# Altium PCB bqCNC.PcbDoc (part 1 of 6) (continued)
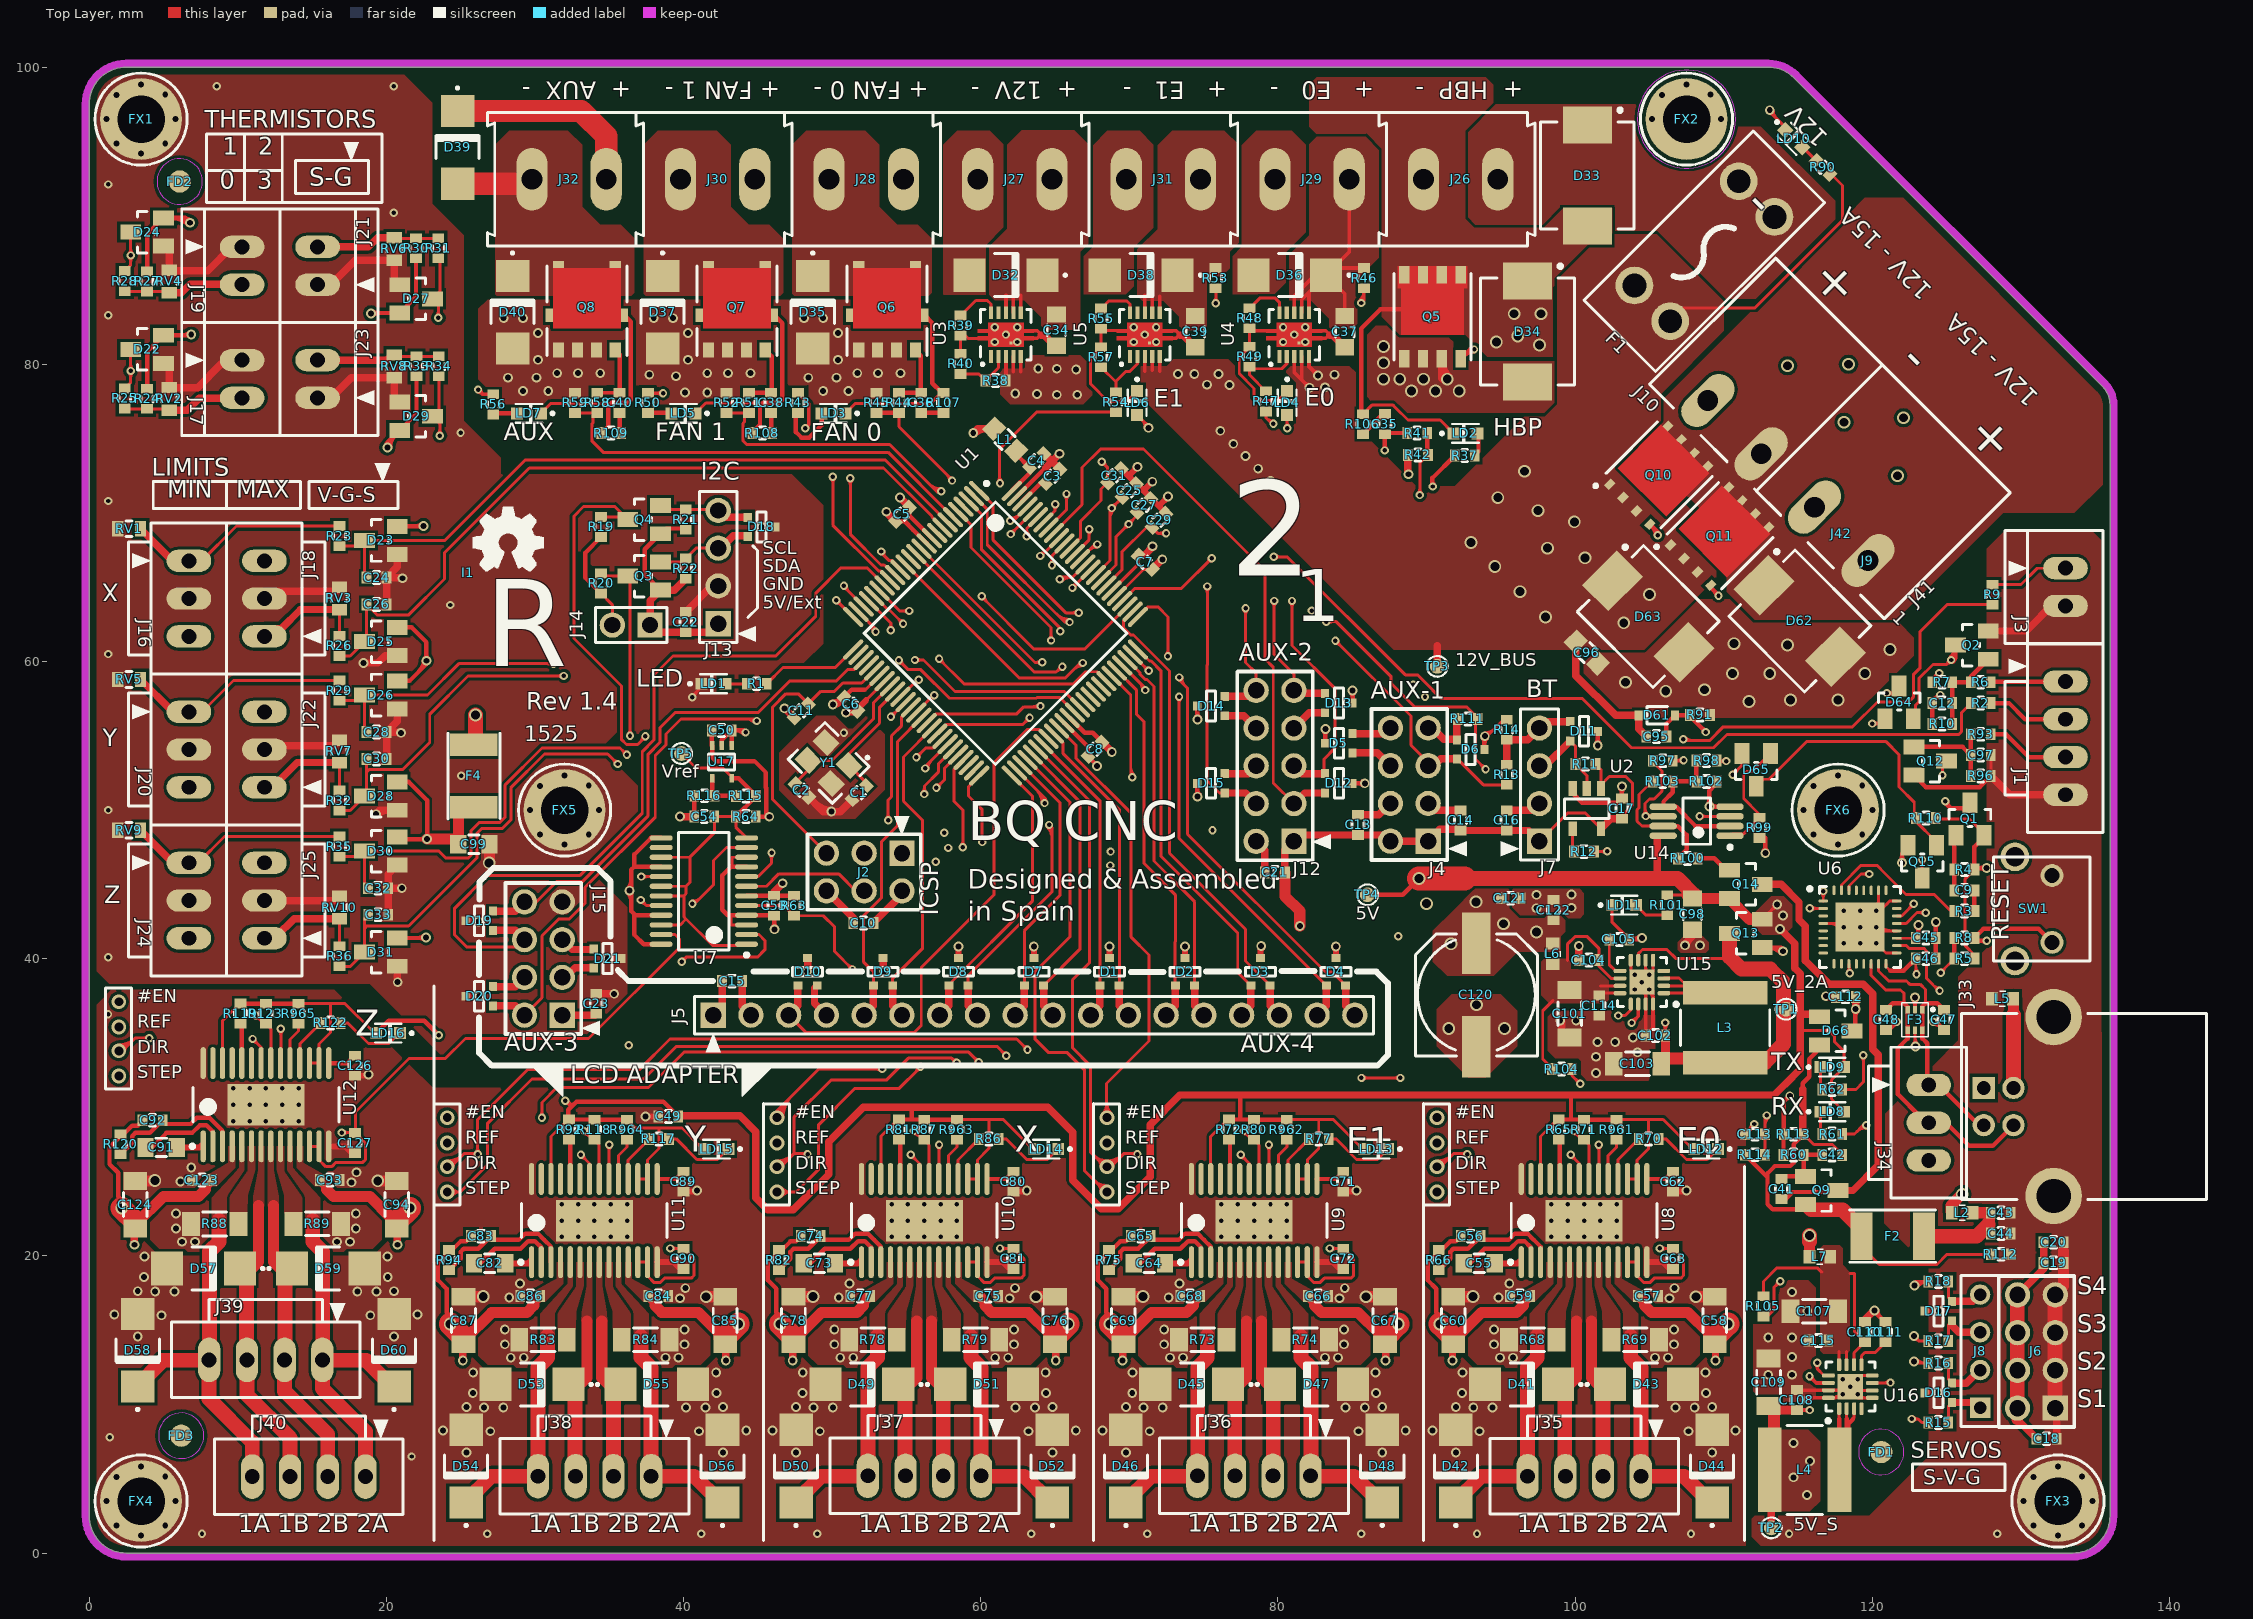
[diagram p0: Top Layer view]
## Components (designator, comment, footprint, x,y, rotation, side; value= is the part's Value field where it differs from the comment) (continued)
R97 "Resistor" R0603 105.901,53.317 r0 top (schematic designator R77)
R98 "Resistor" R0603 108.85,53.325 r0 top (schematic designator R78)
R99 "Resistor" R0603 112.4,48.8 r90 top (schematic designator R79)
R100 "Resistor" R0603 107.575,46.75 r180 top (schematic designator R80)
R101 "Resistor" R0603 106.2,43.6 r90 top (schematic designator R81)
R102 "Resistor" R0603 108.85,51.925 r180 top (schematic designator R82)
R103 "Resistor" R0603 105.9,51.925 r180 top (schematic designator R83)
R104 "100k" R0603 99.1,32.575 r0 top (schematic designator R84)
R105 "100k" R0603 112.675,16.6 r270 top (schematic designator R84)
R106 "Resistor" R0603 85.725,75.971 r90 top (schematic designator R85)
R107 "Resistor" R0603 57.5,77.396 r90 top (schematic designator R86)
R108 "Resistor" R0603 45.304,75.375 r180 top (schematic designator R87)
R109 "Resistor" R0603 35.129,75.375 r180 top (schematic designator R88)
R110 "Resistor" R0603 123.606,49.459 r0 top (schematic designator R89)
R111 "Resistor" R0603 92.781,56.135 r0 top (schematic designator R90)
R112 "Resistor" R0603 128.657,20.108 r0 top (schematic designator R91)
R113 "Resistor" R0603 114.707,28.183 r0 top (schematic designator R92)
R114 "Resistor" R0603 112.107,26.809 r0 top (schematic designator R93)
R115 "Resistor" R0603 44.206,50.959 r0 top (schematic designator R94)
R116 "Resistor" R0603 41.408,50.962 r0 top (schematic designator R95)
R117 "Resistor" R0603 38.35,27.875 r0 top (schematic designator R72)
R118 "Resistor" R0603 34,28.496 r90 top (schematic designator R74)
R119 "Resistor" R0603 10.2,36.304 r270 top (schematic designator R65)
R120 "Resistor" R0603 2.125,27.521 r90 top (schematic designator R66)
R122 "Resistor" R0603 16.25,35.675 r0 top (schematic designator R72)
R123 "Resistor" R0603 11.9,36.296 r90 top (schematic designator R74)
R961 "Resistor" R0603 102.8,28.496 r270 top (schematic designator R96)
R962 "Resistor" R0603 80.6,28.496 r270 top (schematic designator R96)
R963 "Resistor" R0603 58.4,28.496 r270 top (schematic designator R96)
R964 "Resistor" R0603 36.2,28.496 r270 top (schematic designator R96)
R965 "Resistor" R0603 14.1,36.296 r270 top (schematic designator R96)
RV1 "Varistor" RV0603 2.697,68.935 r0 top
RV2 "Varistor" RV0603 5.4,77.674 r270 top
RV3 "Varistor" RV0603 16.843,64.243 r270 top
RV4 "Varistor" RV0603 5.4,85.574 r270 top
RV5 "Varistor" RV0603 2.697,58.789 r0 top
RV6 "Varistor" RV0603 20.534,87.76 r90 top
RV7 "Varistor" RV0603 16.843,53.943 r270 top
RV8 "Varistor" RV0603 20.534,79.86 r90 top
RV9 "Varistor" RV0603 2.697,48.643 r0 top
RV10 "Varistor" RV0603 16.843,43.443 r270 top
SW1 "RESET" SW_Vert_THT_7.5x6x6.5 132.1,45.6 r270 top
TP1 "Testpoint" TP_SMD_1mm 114.2,36.6 r90 top
TP2 "Testpoint" TP_SMD_1mm 113.2,1.7 r90 top
TP3 "Testpoint" TP_SMD_1mm 90.725,59.675 r90 top
TP4 "Testpoint" TP_SMD_1mm 86.025,44.3 r90 top
TP5 "Testpoint" TP_SMD_1mm 39.865,53.806 r90 top
U1 "ATmega2560-16AU" TQFP100_05_MD 61,61.9 r315 top
U2 "74AHCT1G08" SOT23-5 100.79,50.096 r180 top
U3 "TPS2592" S-PVSON-N10 61.7,82 r0 top
U4 "TPS2592" S-PVSON-N10 81.1,82 r0 top
U5 "TPS2592" S-PVSON-N10 71.05,82 r0 top
U6 "FT232RQ R" QFN32 119.175,42.125 r0 top
U7 "AD5206-10K" TSSOP24_065 41.375,44.55 r180 top
U8 "DRV8825" SOP28 100.604,22.375 r90 top
U9 "DRV8825" SOP28 78.404,22.375 r90 top (schematic designator U8)
U10 "DRV8825" SOP28 56.204,22.375 r90 top (schematic designator U8)
U11 "DRV8825" SOP28 34.004,22.375 r90 top (schematic designator U8)
U12 "DRV8825" SOP28 11.904,30.175 r90 top (schematic designator U8)
U14 "FAN4274IMU8X" VSSOP8 108.175,49.25 r180 top (schematic designator U10)
U15 "TPS62133" QFN16 104.5,38.425 r180 top (schematic designator U11)
U16 "TPS62133" QFN16 118.525,11.2 r90 top (schematic designator U11)
U17 "ZXRE160A" SOT-353 42.585,53.244 r180 top (schematic designator U12)
Y1 "ABM8G 16MHz" ABM8G_3.2x2.5mm 49.77,53.176 r135 top

## Footprints (in the part's own frame and the unit in brackets; to place one, negate y for a bottom-side part, rotate by r counter-clockwise, add the part's x,y. Pads: shape width x height; smd on the part's side, far side on the other; paste and mask are expansions set on the pad)
"1x2 MTE Straight Header 2.54mm" [mm] "1x2 MTE Straight Header 2.54mm"
  oval 1.5x3 hole 1: 1(0,0) 2(-2.54,0)
  silkscreen extent -5.08,-2.54 2.54,4.06, body extent -5.08,-2.54 2.54,4.06, height 13.7
"1x2 Pin Header 2.54" [mm] "2 pin Header pitch 2.54mm"
  rect 1.7x1.7 hole 1.1: 1(0,0)
  round 1.7 hole 1.1: 2(2.54,0)
  silkscreen extent -1.14,-1.18 3.68,1.18, body extent -1.26,-1.25 3.82,1.29, height 8.43
"1x3 MTE Straight Header 2.54mm" [mm] "1x3 MTE Straight Header 2.54mm"
  oval 1.5x3 hole 1: 1(0,0) 2(-2.54,0) 3(-5.08,0)
  silkscreen extent -7.62,-2.54 2.54,4.06, body extent -7.62,-2.54 2.54,4.06, height 13.7
"1x4 MTE Straight Header 2.54mm" [mm] "1x4 MTE Straight Header 2.54mm"
  oval 1.5x3 hole 1: 1(0,0) 2(-2.54,0) 3(-5.08,0) 4(-7.62,0)
  silkscreen extent -10.16,-2.54 2.54,4.06, body extent -10.16,-2.54 2.54,4.06, height 13.7
"1x4 Pin Header 2.54"#1 [mm] "4 pin Header pitch 2.54mm"
  rect 1.37x1.37 hole 0.85: 1(0,0)
  round 1.37 hole 0.85: 2(2.54,0) 3(5.08,0) 4(7.62,0)
  silkscreen extent -1.27,-1.27 8.89,1.27, body extent -1.26,-1.25 8.9,1.29, height 8.43
"1x4 Pin Header 2.54"#2 [mm] "4 pin Header pitch 2.54mm"
  rect 1.7x1.7 hole 1.1: 1(0,0)
  round 1.7 hole 1.1: 2(2.54,0) 3(5.08,0) 4(7.62,0)
  silkscreen extent -1.27,-1.27 8.89,1.27, body extent -1.26,-1.25 8.9,1.29, height 8.43
"1x4 Socket Header THT 2.54mm" [mm] "4 pin Socket Header pitch 2.54mm"
  rect 1.7x1.7 hole 1.1: 1(0,0)
  round 1.7 hole 1.1: 2(2.54,0) 3(5.08,0) 4(7.62,0)
  silkscreen extent -1.27,-1.27 8.9,1.27, body extent -1.28,-1.27 8.88,1.27, height 8.55
"1x18 Pin Header 2.54" [mm] "18 pin Header pitch 2.54mm"
  rect 1.7x1.7 hole 1.1: 1(0,0)
  round 1.7 hole 1.1: 2(2.54,0) 3(5.08,0) 4(7.62,0) 5(10.16,0) 6(12.7,0) 7(15.24,0) 8(17.78,0) 9(20.32,0) 10(22.86,0) 11(25.4,0) 12(27.94,0) 13(30.48,0) 14(33.02,0) 15(35.56,0) 16(38.1,0) 17(40.64,0) 18(43.18,0)
  silkscreen extent -1.27,-1.27 44.45,1.27, body extent -1.26,-1.25 44.46,1.29, height 8.43
"2x3 Pin Header 2.54" [mm] "6 dual pin Header pitch 2.54mm"
  rect 1.7x1.7 hole 1.1: 1(0,0)
  round 1.7 hole 1.1: 2(0,2.54) 3(2.54,0) 4(2.54,2.54) 5(5.08,0) 6(5.08,2.54)
  silkscreen extent -1.27,-1.27 6.35,3.81, body extent -1.25,-1.27 6.37,3.81, height 5.94
"2x4 Pin Header 2.54" [mm] "8 dual pin Header pitch 2.54mm"
  rect 1.7x1.7 hole 1.1: 1(0,0)
  round 1.7 hole 1.1: 2(0,2.54) 3(2.54,0) 4(2.54,2.54) 5(5.08,0) 6(5.08,2.54) 7(7.62,0) 8(7.62,2.54)
  silkscreen extent -1.27,-1.28 8.89,3.81, body extent -1.34,-1.28 8.82,3.8, height 8.54
"2x5 Pin Header 2.54" [mm] "10 dual pin Header pitch 2.54mm"
  rect 1.7x1.7 hole 1.1: 1(0,0)
  round 1.7 hole 1.1: 2(0,2.54) 3(2.54,0) 4(2.54,2.54) 5(5.08,0) 6(5.08,2.54) 7(7.62,0) 8(7.62,2.54) 9(10.16,0) 10(10.16,2.54)
  silkscreen extent -1.27,-1.27 11.43,3.81, body extent -1.29,-1.23 11.41,3.77, height 8.4
ABM8G_3.2x2.5mm [mm] "ABM8G 3.2x2.5x1.0mm"
  rect 1.4x1.2 smd: 1(-1.1,-0.85) 2(1.1,-0.85) 3(1.1,0.85) 4(-1.1,0.85)
  silkscreen extent -2.1,-2.19 2.1,1.75, body extent -1.6,-1.25 1.6,1.25, height 1.06
AO_DFN5x6 [mm] "Alpha & Omega DFN 5x6 mm"
  rect 0.5x0.65 smd: 1(-1.905,-2.75) 2(-0.635,-2.75) 3(0.635,-2.75) 4(1.905,-2.75)
  rect 0.5x0.55 smd: 5(1.905,2.795) 6(0.635,2.795) 7(-0.635,2.795) 8(-1.905,2.795)
  Top Layer region: -2.3,-1.6 2.3,-1.6 2.3,2.52 -2.3,2.52
  silkscreen extent -2.6,-3.6 2.6,2.5, body extent -2.62,-3.12 2.63,3.12, height 1.14
C0603 [mm] "Chip Capacitor, Body 1.6x0.8mm, IPC High Density"
  rect 0.65x0.8 smd: 1(-0.675,0) 2(0.675,0)
  silkscreen extent -0.2,-0.4 0.2,0.4, body extent -0.81,-0.4 0.79,0.4, height 0.6
C0805 [mm] "Chip Capacitor, Body 2.0x1.25mm, IPC High Density"
  rect 1.1x1.25 smd: 1(-1.05,0) 2(1.05,0)
  silkscreen extent -0.35,-0.62 0.35,0.62, body extent -0.98,-0.62 1.02,0.63, height 0.78
C1206 [mm] "Chip Capacitor, Body 3.2x1.6mm, IPC High Density"
  rect 1.2x1.6 smd: 1(-1.6,0) 2(1.6,0)
  silkscreen extent -0.8,-0.8 0.8,0.79, body extent -1.59,-0.8 1.61,0.8, height 1
CASE_E7 [mm] "SMD Polymer Capacitor, 8.3x8.3mm, Diameter 8mm"
  rect 1.9x4.15 smd: 1(0,3.475) 2(0,-3.475)
  silkscreen extent -4.1,-4.1 4.1,4.1, body extent -4.15,-4.5 4.15,4.5, height 6.9
DO-214AA [mm] "SOJ, 2-Leads, Body 3,94x5,40mm, Pitch 1,27mm, IPC Medium Density"
  rect 2.16x2.26 smd: A(2.45,0) K(-2.45,0)
  silkscreen extent -4.04,-1.45 0.76,1.45, body extent -2.5,-1.35 2.5,1.35, height 2.41
DO-214AB-SMC [mm] "Molded Diode, 2-Leads, Body 6,85x5,90mm, IPC Medium Density"
  rect 2.5x3.3 smd: A(3.4,0) K(-3.4,0)
  silkscreen extent -4.52,-3.15 3.6,3.15, body extent -3.9,-2.95 3.9,2.95, height 2.43
F1812 [mm] "PTC Resettable Fuse 1812 package  4.55mm x 3.24mm"
  rect 1.5x3.2 smd: 1(-2.1,0) 2(2.1,0)
  silkscreen extent -2.87,-1.75 2.9,1.75, body extent -2.36,-1.7 2.37,1.71, height 1.34
Fiducial [mm] "Marcas Fiduciales para montador"
  round 1.5 smd paste-1 mask+0.75: ""(0,0)
  Top Layer keep-out circle w0.05: c0,0 r1.53
Fix_Hole_3mm#1 [mm] "Fix Hole for screwing"
  round 5.5 / inner round 3 / far side round 5.5 hole 3.2 unplated: 1(0,0.75)
Fix_Hole_3mm#2 [mm] "Fix Hole for screwing"
  round 5.5 / inner round 3 / far side round 5.5 hole 3.2 unplated: 1(8.7,0)
Fix_Hole_3mm_5mmPad#1 [mm] "Fix Hole for screwing"
  round 5.5 / inner round 3 / far side round 5.5 hole 3.2 unplated: 1(-0.1,-0.2)
Fix_Hole_3mm_5mmPad#2 [mm] "Fix Hole for screwing"
  round 5.5 / inner round 3 / far side round 5.5 hole 3.2 unplated: 1(-0.7,0.1)
Fix_Hole_3mm_5mmPad#3 [mm] "Fix Hole for screwing"
  round 5.5 / inner round 3 / far side round 5.5 hole 3.2 unplated: 1(-0.25,0.25)
Fix_Hole_3mm_5mmPad#4 [mm] "Fix Hole for screwing"
  round 5.5 / inner round 3 / far side round 5.5 hole 3.2 unplated: 1(0,-0.6)
Fuse_Holder_TH_3568 [mm] "Keystone Mini Fuse Holder, Vertical TH"
  round 2.54 hole 1.6: 1(0,0) 1(0,3.4) 2(9.92,0) 2(9.92,3.4)
  silkscreen extent -3.1,-1.7 13,5.1, body extent -3.05,-1.59 12.95,5.14, height 7.36
L0603 [mm] "Chip Inductor, Body 1.6x0.8mm, IPC High Density"
  rect 0.8x0.9 smd: 1(-0.7,0) 2(0.7,0)
  silkscreen extent -0.21,-0.5 0.21,0.5, body extent -0.81,-0.4 0.79,0.4, height 0.6
L0805 [mm] "Chip Inductor Body 2.0x1.25mm, IPC High Density"
  rect 1.1x1.25 smd: 1(-1.05,0) 2(1.05,0)
  silkscreen extent -0.35,-0.62 0.35,0.62, body extent -0.98,-0.62 1.02,0.63, height 0.78
LED0603 [mm] "0603 1.6x0.8mm"
  rect 0.8x0.8 smd: A(0,0.8) K(0,-0.8)
  silkscreen extent -0.64,-1.69 0.64,0.89, body extent -0.37,-0.81 0.36,0.84, height 0.68
NXP_LFPAK56 [mm] "NXP LFPAK 5x6 mm"
  rect 0.7x1.15 smd paste-0.05: 1(-1.905,-2.825) 2(-0.635,-2.825) 3(0.635,-2.825) 4(1.905,-2.825) 5(1.905,2.825) 6(0.635,2.825) 7(-0.635,2.825) 8(-1.905,2.825)
  Top Layer region: -2.35,1.9 -2.1,1.9 -2.1,-1.2 2.1,-1.2 2.1,1.9 2.35,1.9 2.35,3.4 -2.35,3.4
  silkscreen extent -2.6,-2.9 2.6,2.9, body extent -2.45,-3.2 2.45,3.22, height 1.2
open_hw_Logo_small [mm]
  silkscreen extent 0.31,0.12 5.09,4.41
OS_DFN5 [mm] "ON Semi DFN 5x6 mm"
  rect 0.75x1 smd: 1(-1.905,-2.747) 2(-0.635,-2.747) 3(0.635,-2.747) 4(1.905,-2.747)
  rect 0.75x0.475 smd: 5(1.905,3.01) 8(-1.905,3.01)
  rect 0.495x0.905 smd: 6(2.527,-0.404) 7(-2.527,-0.404)
  Top Layer region: -2.28,-1.283 2.28,-1.283 2.28,2.773 -2.28,2.773
  silkscreen extent -2.7,-3.1 2.7,2.9, body extent -2.57,-3.07 2.57,3.08, height 1.13
QFN16 [mm] "QFN 16-Lead, 3x3mm body, IPC Medium Density"
  rrect70% 0.85x0.28 smd mask+0.07: 1(-1.475,0.75) 2(-1.475,0.25) 3(-1.475,-0.25) 4(-1.475,-0.75) 9(1.475,-0.75) 10(1.475,-0.25) 11(1.475,0.25) 12(1.475,0.75)
  rrect70% 0.28x0.85 smd mask+0.07: 5(-0.75,-1.475) 6(-0.25,-1.475) 7(0.25,-1.475) 8(0.75,-1.475) 13(0.75,1.475) 14(0.25,1.475) 15(-0.25,1.475) 16(-0.75,1.475)
  rect 1.7x1.7 smd mask+0.05: 16(0,0)
  silkscreen extent -2.43,-1.65 1.65,1.65, body extent -1.5,-1.5 1.5,1.5, height 0.9
QFN32 [mm] "QFN, 32-Leads, Body 5x5mm, Pitch 0.5mm, Thermal Pad 3.3x3.3mm, IPC High Density"
  oval 0.65x0.2 smd: 1(-2.475,1.75) 2(-2.475,1.25) 3(-2.475,0.75) 4(-2.475,0.25) 5(-2.475,-0.25) 6(-2.475,-0.75) 7(-2.475,-1.25) 8(-2.475,-1.75) 17(2.475,-1.75) 18(2.475,-1.25) 19(2.475,-0.75) 20(2.475,-0.25) 21(2.475,0.25) 22(2.475,0.75) 23(2.475,1.25) 24(2.475,1.75)
  oval 0.2x0.65 smd: 9(-1.75,-2.475) 10(-1.25,-2.475) 11(-0.75,-2.475) 12(-0.25,-2.475) 13(0.25,-2.475) 14(0.75,-2.475) 15(1.25,-2.475) 16(1.75,-2.475) 25(1.75,2.475) 26(1.25,2.475) 27(0.75,2.475) 28(0.25,2.475) 29(-0.25,2.475) 30(-0.75,2.475) 31(-1.25,2.475) 32(-1.75,2.475)
  rect 3.3x3.3 smd: 33(0,0)
  silkscreen extent -3.5,-2.73 2.73,2.72, body extent -2.51,-2.46 2.51,2.56, height 1.12
R0603 [mm] "Chip Resistor, Body 1.6x0.8mm, IPC High Density"
  rect 0.65x0.8 smd: 1(-0.675,0) 2(0.675,0)
  silkscreen extent -0.2,-0.4 0.2,0.4, body extent -0.81,-0.4 0.79,0.4, height 0.4
R1206 [mm] "Chip Resistor, Body 3.2x1.6mm, IPC High Density"
  rect 1.2x1.6 smd: 1(-1.6,0) 2(1.6,0)
  silkscreen extent -0.8,-0.8 0.8,0.79, body extent -1.59,-0.8 1.61,0.8, height 1
RV0603 [mm] "Chip Varistor 1.6 x 0.8 mm"
  rect 0.76x1.02 smd: 1(-0.76,0) 2(0.76,0)
  silkscreen extent -0.2,-0.53 0.2,0.53, body extent -0.81,-0.4 0.79,0.4, height 0.9
S-PVSON-N10 [mm] "Power VSON N10, 3x3 mm, Texas Instruments"
  rect 0.28x0.85 smd paste-0.025 mask+0.115: 1(-1,-1.475) 2(-0.5,-1.475) 3(0,-1.475) 4(0.5,-1.475) 5(1,-1.475) 6(1,1.475) 7(0.5,1.475) 8(0,1.475) 9(-0.5,1.475) 10(-1,1.475)
  rect 0.2x0.2 smd: 11(0.325,-0.555)
  Top Layer region: -1.9,0.11 -1.15,0.11 -1.15,0.39 -1.9,0.39
  Top Layer region: -1.2,-0.825 1.2,-0.825 1.2,0.825 -1.2,0.825
  Top Layer region: 1.15,0.11 1.9,0.11 1.9,0.39 1.15,0.39
  Top Layer region: 1.16,-0.39 1.9,-0.39 1.9,-0.11 1.16,-0.11
  Top Layer region: -1.9,-0.39 -1.15,-0.39 -1.15,-0.11 -1.9,-0.11
  silkscreen extent -1.7,-2.06 1.7,1.7, body extent -1.58,-1.57 1.57,1.58, height 1
SOD323 [mil]
  rect 22x27 smd: A(-48,0) K(48,0)
  silkscreen extent -28,-23 26,23, body extent -51,-27 51,27, height 44
SOP28 [mm]
  oval 2.15x0.35 smd: 1(-2.8,4.225) 2(-2.8,3.575) 3(-2.8,2.925) 4(-2.8,2.275) 5(-2.8,1.625) 6(-2.8,0.975) 7(-2.8,0.325) 8(-2.8,-0.325) 9(-2.8,-0.975) 10(-2.8,-1.625) 11(-2.8,-2.275) 12(-2.8,-2.925) 13(-2.8,-3.575) 14(-2.8,-4.225) 15(2.8,-4.225) 16(2.8,-3.575) 17(2.8,-2.925) 18(2.8,-2.275) 19(2.8,-1.625) 20(2.8,-0.975) 21(2.8,-0.325) 22(2.8,0.325) 23(2.8,0.975) 24(2.8,1.625) 25(2.8,2.275) 26(2.8,2.925) 27(2.8,3.575) 28(2.8,4.225)
  rect 2.8x5.18 smd: 29(0,0)
  silkscreen extent -2.92,-4.9 1.15,5.07, body extent -2.25,-4.9 2.25,4.9, height 1.2
SOT23-3 [mm] "SOT23, 3-Leads, Body 2.9x1.3mm, Pitch 0.95mm, Lead Span 2.5mm, IPC High Density"
  rect 1x1.4 smd: 1(0.95,1.1) 2(-0.95,1.1) 3(0,-1.1)
  silkscreen extent -1.4,-0.64 1.4,0.51, body extent -1.44,-1.45 1.46,1.35, height 1.07
SOT23-5 [mm] "SOT23, 3-Leads, Body 2.9x1.3mm, Pitch 0.95mm, Lead Span 2.5mm, IPC High Density"
  rect 0.55x1 smd: 1(-0.95,-1.35) 2(0,-1.35) 3(0.95,-1.35) 4(0.95,1.35) 5(-0.95,1.35)
  silkscreen extent -1.5,-0.65 1.5,0.65, body extent -1.4,-1.5 1.5,1.3, height 1.24
SOT323_3_SC70 [mm] "SOT 323-3 SC-70, Reflow footprint"
  rect 0.6x0.55 smd: 1(0.65,0.925) 2(-0.65,0.925) 3(0,-0.925)
  silkscreen extent -1,-0.3 1,0.3, body extent -1.1,-1.12 1.1,1.12, height 1.1
SOT563 [mm] "SOT563, 6-Leads, Body 1,60x1,20mm, Pitch 0,50mm, IPC Medium Density"
  rect 0.5x0.3 smd paste+0 mask+0.05: 1(-0.7,0.5) 2(-0.7,0) 3(-0.7,-0.5) 4(0.7,-0.5) 5(0.7,0) 6(0.7,0.5)
  silkscreen extent -1.14,-0.89 1.14,1.3, body extent -0.8,-0.8 0.8,0.8, height 0.55
SOT-353 [mm] "SOT23, 3-Leads, Body 2.4x2.15mm, Pitch 0.65mm,"
  rect 0.3x0.6 smd: 1(-0.65,-1.1) 2(0,-1.1) 3(0.65,-1.1) 4(0.65,1.1) 5(-0.65,1.1)
  silkscreen extent -0.86,-0.53 0.89,0.56, body extent -1.05,-1.15 1.05,1.15, height 1
SW_Vert_THT_7.5x6x6.5 [mm] "Vertical Switch THT"
  round 1.54 hole 1: 1(0,0) 2(4.5,0)
  round 1.93 hole 1.3: 3(-1.25,-2.5) 4(5.75,-2.5)
  silkscreen extent -1.25,-3.95 5.75,2.55, body extent -1.84,-3.95 6.34,3.85, height 7.1
TB_5.00_2_Screw_15A [mm] "Terminal Block Fixed with Screw, 5.00mm, Clamp Cage, 15A"
  oval 2.1x4.2 hole 1.4: 1(0,0) 2(5,0)
  silkscreen extent -2.5,-4.5 8,4.5, body extent -2.5,-4.5 8,4.5, height 15.2
TB_RA_2_5.08 [mm] "Pluggable Terminal Block 5.08 RA, 2p"
  oval 4.2x2.1 hole 1.4: 1(0,0) 2(0,-5.08)
  silkscreen extent -10,-8.63 2,3.54, body extent -9.89,-8.62 2.04,3.55, height 8.38
TB_RA_2_5.08_Plug [mm] "Terminal Block 5.08 Plug, 2p"
  body extent -19.56,-7.62 -1.27,2.54, height 14.8
TB_RA_4_5.08 [mm] "Pluggable Terminal Block 5.08 RA, 4p"
  oval 4.2x2.1 hole 1.4: 1(0,0) 2(0,-5.08) 3(0,-10.16) 4(0,-15.24)
  silkscreen extent -10,-18.78 2,3.54, body extent -9.91,-18.78 2.03,3.54, height 8.38
TB_RA_4_5.08_Plug [mm] "Terminal Block 5.08 Plug, 4p"
  body extent -19.81,-17.78 -1.52,2.54, height 14.8
TP_SMD_1mm [mm] "Testpoint 1mm"
  round 1 smd paste-1 mask+0.1: 1(0,0)
  silkscreen extent -0.7,-0.7 0.7,0.7
TQFP100_05_MD [mm] "Thin QFP, 100-Leads, Body 14x14mm, Pitch 0.5mm, IPC Medium Density"
  oval 1.8x0.3 smd: 1(-7.55,6) 2(-7.55,5.5) 3(-7.55,5) 4(-7.55,4.5) 5(-7.55,4) 6(-7.55,3.5) 7(-7.55,3) 8(-7.55,2.5) 9(-7.55,2) 10(-7.55,1.5) 11(-7.55,1) 12(-7.55,0.5) 13(-7.55,0) 14(-7.55,-0.5) 15(-7.55,-1) 16(-7.55,-1.5) 17(-7.55,-2) 18(-7.55,-2.5) 19(-7.55,-3) 20(-7.55,-3.5) 21(-7.55,-4) 22(-7.55,-4.5) 23(-7.55,-5) 24(-7.55,-5.5) 25(-7.55,-6) 51(7.55,-6) 52(7.55,-5.5) 53(7.55,-5) 54(7.55,-4.5) 55(7.55,-4) 56(7.55,-3.5) 57(7.55,-3) 58(7.55,-2.5) 59(7.55,-2) 60(7.55,-1.5) 61(7.55,-1) 62(7.55,-0.5) 63(7.55,0) 64(7.55,0.5) 65(7.55,1) 66(7.55,1.5) 67(7.55,2) 68(7.55,2.5) 69(7.55,3) 70(7.55,3.5) 71(7.55,4) 72(7.55,4.5) 73(7.55,5) 74(7.55,5.5) 75(7.55,6)
  oval 0.3x1.8 smd: 26(-6,-7.55) 27(-5.5,-7.55) 28(-5,-7.55) 29(-4.5,-7.55) 30(-4,-7.55) 31(-3.5,-7.55) 32(-3,-7.55) 33(-2.5,-7.55) 34(-2,-7.55) 35(-1.5,-7.55) 36(-1,-7.55) 37(-0.5,-7.55) 38(0,-7.55) 39(0.5,-7.55) 40(1,-7.55) 41(1.5,-7.55) 42(2,-7.55) 43(2.5,-7.55) 44(3,-7.55) 45(3.5,-7.55) 46(4,-7.55) 47(4.5,-7.55) 48(5,-7.55) 49(5.5,-7.55) 50(6,-7.55) 76(6,7.55) 77(5.5,7.55) 78(5,7.55) 79(4.5,7.55) 80(4,7.55) 81(3.5,7.55) 82(3,7.55) 83(2.5,7.55) 84(2,7.55) 85(1.5,7.55) 86(1,7.55) 87(0.5,7.55) 88(0,7.55) 89(-0.5,7.55) 90(-1,7.55) 91(-1.5,7.55) 92(-2,7.55) 93(-2.5,7.55) 94(-3,7.55) 95(-3.5,7.55) 96(-4,7.55) 97(-4.5,7.55) 98(-5,7.55) 99(-5.5,7.55) 100(-6,7.55)
  silkscreen extent -7.67,-6.25 6.25,6.82, body extent -8.01,-8.01 8.01,8.01, height 1.35
TSSOP24_065 [mm] "TSSOP, 24-Leads, Body 7,80x4,40mm, Pitch 0,65mm, IPC Medium Density"
  oval 1.55x0.35 smd: 1(-2.875,3.575) 2(-2.875,2.925) 3(-2.875,2.275) 4(-2.875,1.625) 5(-2.875,0.975) 6(-2.875,0.325) 7(-2.875,-0.325) 8(-2.875,-0.975) 9(-2.875,-1.625) 10(-2.875,-2.275) 11(-2.875,-2.925) 12(-2.875,-3.575) 13(2.875,-3.575) 14(2.875,-2.925) 15(2.875,-2.275) 16(2.875,-1.625) 17(2.875,-0.975) 18(2.875,-0.325) 19(2.875,0.325) 20(2.875,0.975) 21(2.875,1.625) 22(2.875,2.275) 23(2.875,2.925) 24(2.875,3.575)
  silkscreen extent -3,-3.95 1.7,4.42, body extent -3.28,-3.95 3.28,3.95, height 1.2
TY_NRS6028 [mm]
  rect 1.6x5.7 smd: 1(-2.35,0) 2(2.35,0)
  silkscreen extent -1.2,-3 1.2,3, body extent -3,-3 3,3, height 2.85
USB_TypeB [mm] "USB Type B receptacle"
  rect 1.5x1.5 hole 0.92: 1(0,0)
  round 1.5 hole 0.92: 2(-2.5,0) 3(-2.5,-2) 4(0,-2)
  round 3.8 hole 2.3: 5(4.77,-4.71) 6(-7.27,-4.71)
  silkscreen extent -7.5,-15 5,1.5, body extent -8.72,-15 6.22,1.5, height 2.85
VSSOP8 [mm] "Plastic Small-Outline Package 3.1x5.05 mm"
  oval 1.85x0.45 smd mask+0.05: 1(-2.25,0.975) 2(-2.25,0.325) 3(-2.25,-0.325) 4(-2.25,-0.975) 5(2.25,-0.975) 6(2.25,-0.325) 7(2.25,0.325) 8(2.25,0.975)
  silkscreen extent -2.38,-1.55 0.92,1.87, body extent -1.55,-1.55 1.55,1.55, height 1.1